# Altium PCB AMPM_GT400VN.PcbDoc (part 2 of 3)
Units mil, origin at the board's own origin, x right, y up, seen from the top; angles counter-clockwise.
Board outline 2654.8 x 2519.91 mil, 2 copper layers (Top Layer, Bottom Layer), stack 65.792 mil thick; 155 components, 114 nets, 568 pads, 487 vias.
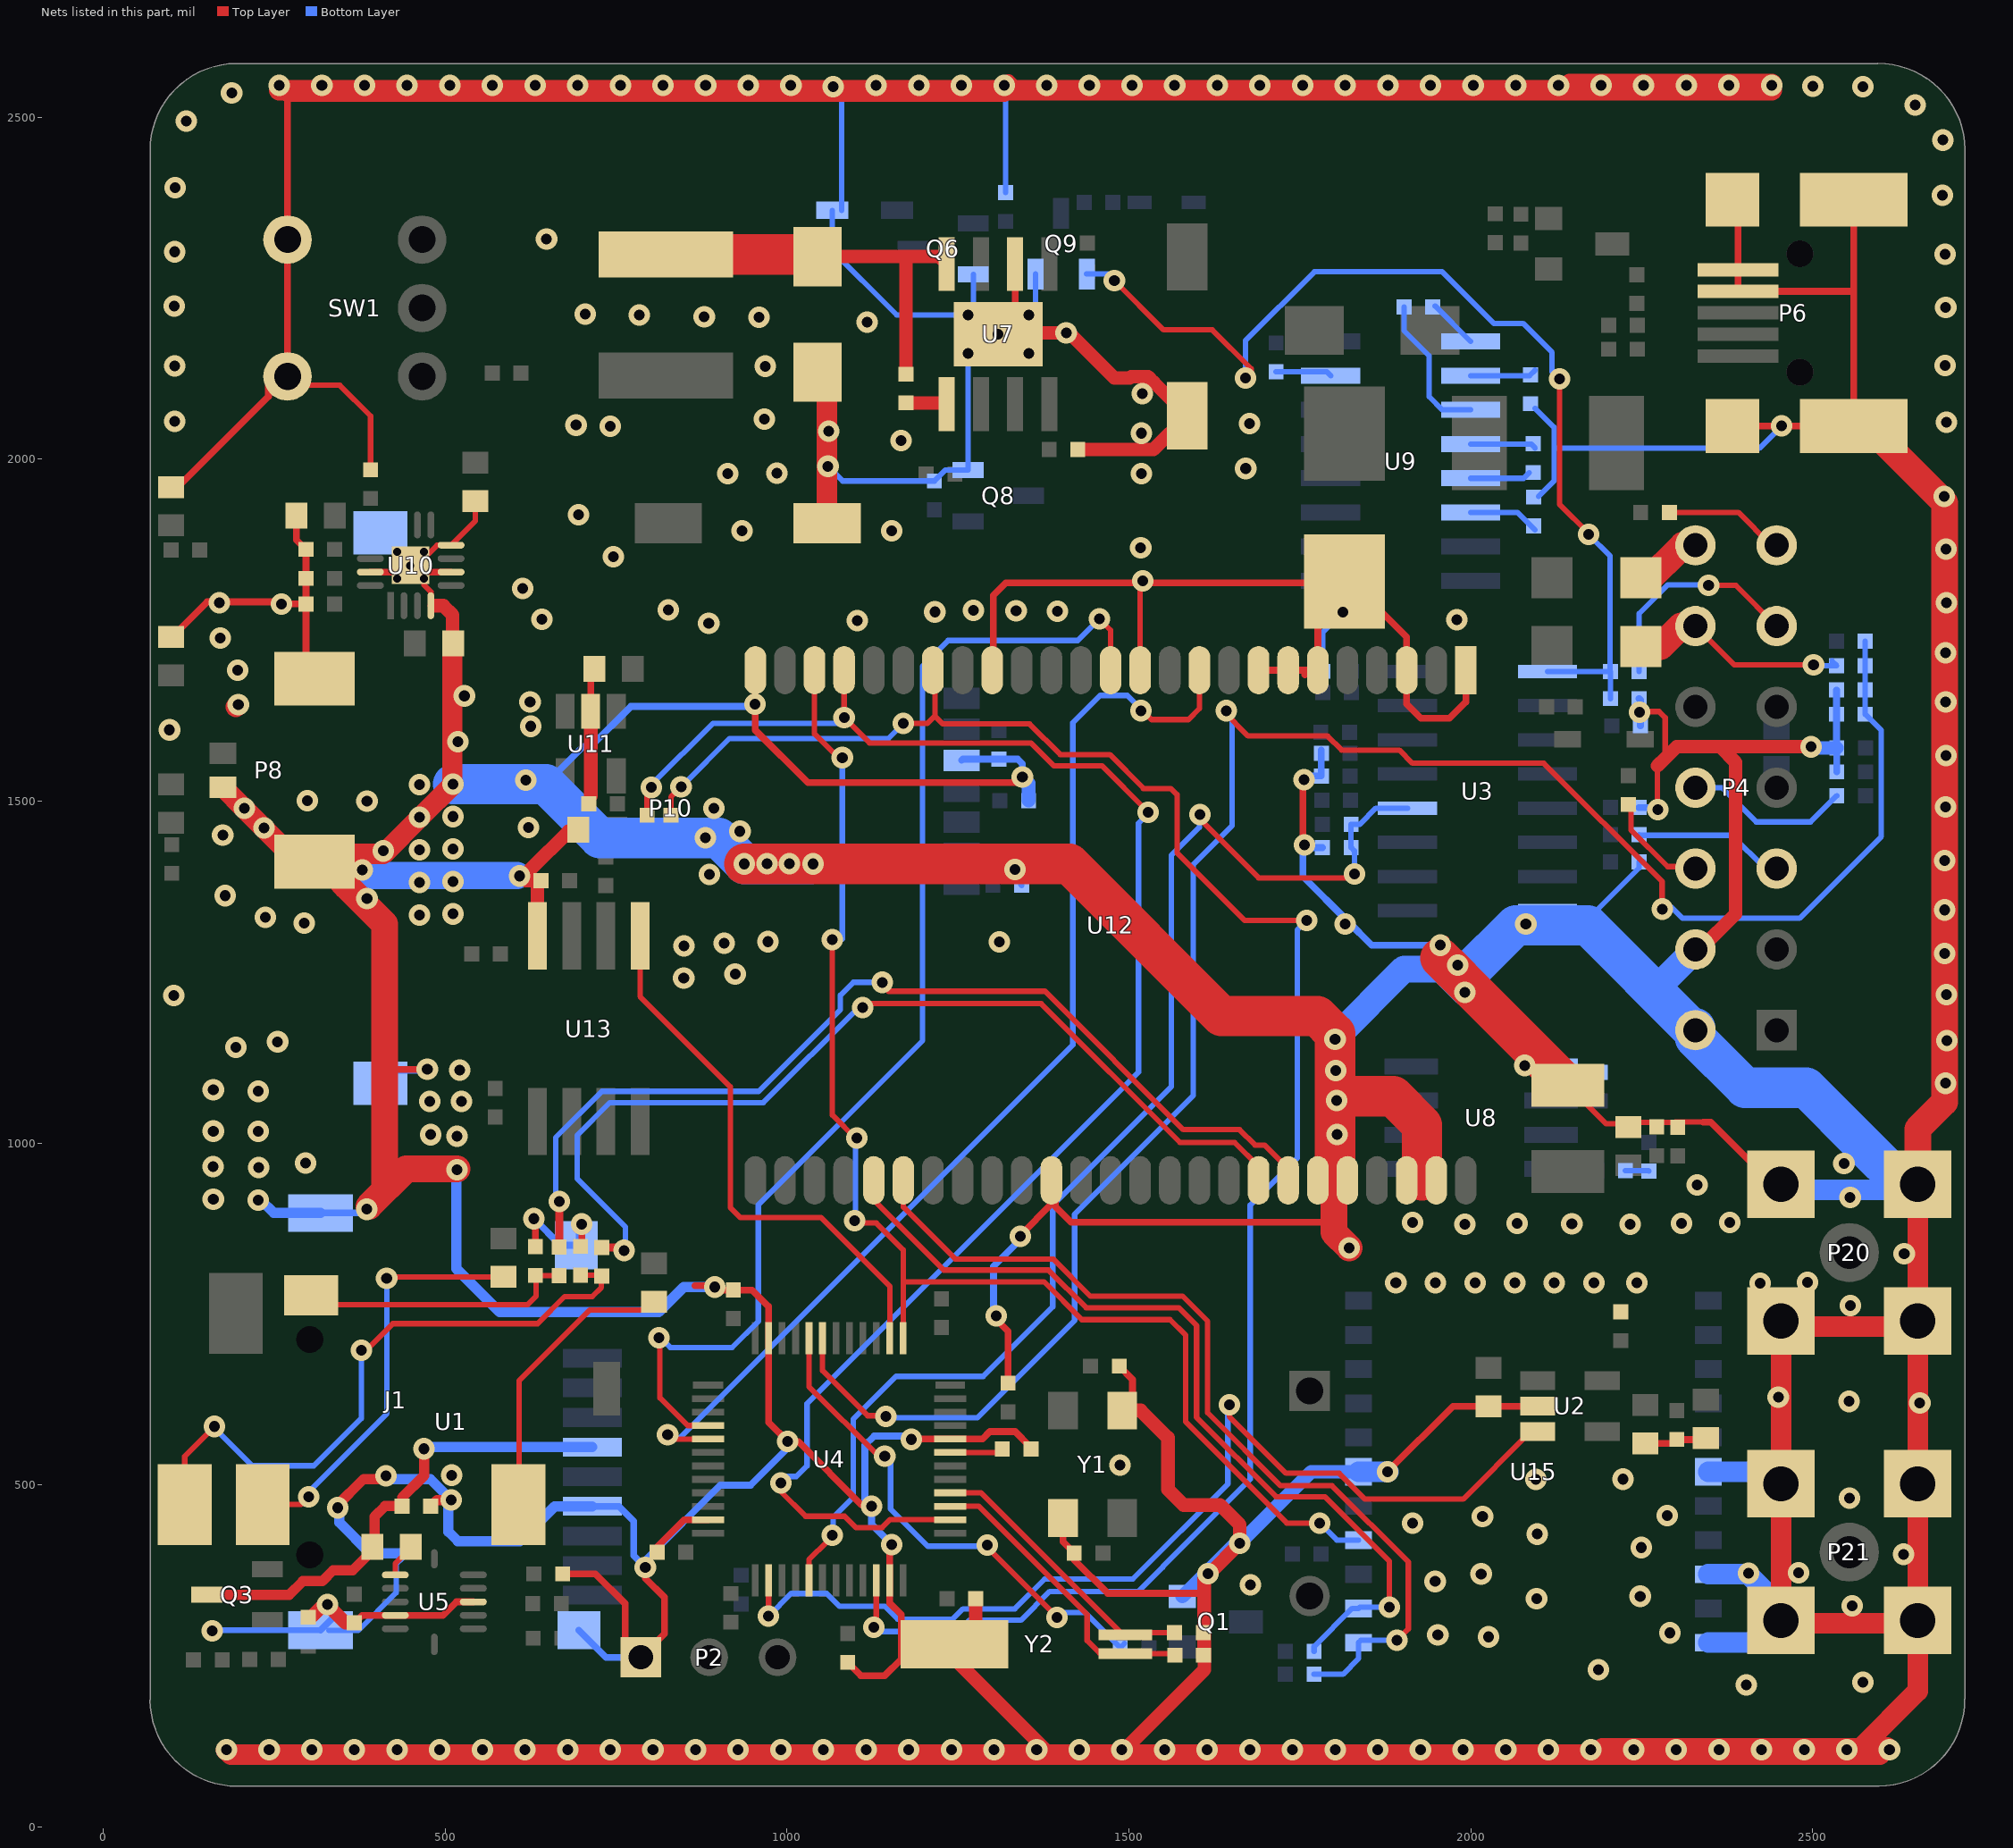
[diagram p2: the nets of this part, all layers, seen from the top]

## Via types
v1: diameter 31.5, hole 15.75, Top Layer to Bottom Layer, 478 vias
v2: diameter 11.81, hole 11.81, Top Layer to Bottom Layer, tented top, 5 vias
v3: diameter 74.8, hole 74.8, Top Layer to Bottom Layer, 2 vias
v4: diameter 35.43, hole 35.43, Top Layer to Bottom Layer, 2 vias

## Nets (pads, with @x,y where several pads share a name; then routed paths per layer and width w, separated by ;. In a path a pad name is that pad's centre, name@x,y a point inside that pad or via, vN(x,y) a via of type N, cw(c..) or ccw(c..) an arc to the next point about the centre after c; other vN are vias at no path point) (continued)
ADC_IN1: C68.2 R10.1 R67.2 R68.2 U4.19 | length 2942.4
  Top Layer w8: U4.19@1051.75,714.63 1051.75,667.06 1117.74,601.07 v1@1143.33,601.07 ; v1@1638.14,1631.48 1674.36,1595.26 1790.75,1595.26 1811.32,1574.69 1895.49,1574.69 1914.78,1555.4 2107.04,1555.4 2279.98,1382.46 v1@2279.98,1344.01
  Bottom Layer w8: v1@1148.06,598.31 1278.6,598.31 1420.66,740.37 1420.66,895.71 1594.02,1069.08 1594.02,1407.04 1650.93,1463.95 1650.93,1619.48 v1@1639.72,1630.69 ; v1@2281.55,1345.19 2293.48,1345.08 2309.9,1328.66 2481.16,1328.66 2600.62,1448.12 2600.62,1603.6 C68.2@2577.22,1627 R68.2@2577.22,1662.6 R67.2@2577.22,1698.2 R10.1@2577.22,1733.8
  other v1: 1144.52,600.28 2280.27,1342.1 1642.47,1632.26
AVL/IO1: P4.6 R86.2 | length 155.5
  Top Layer w8: R86.2@2234.2,1495.26 2234.5,1494.96 2234.5,1457.85 2288.14,1404.22 P4.6@2330.27,1404.22
AVL/IO2: P4.5 R85.2 | length 221.7
  Bottom Layer w8: R85.2@2246.33,1450.89 2247.19,1450.03 2382.09,1450.03 2430.74,1401.39 P4.5@2447.52,1401.39
AVL/IO3: P4.8 R95.1 | length 243.4
  Bottom Layer w8: P4.8@2328.81,1519.59 2367.65,1519.59 2417.67,1469.57 2497.25,1469.57 R95.1@2535.62,1507.94
AVL/IO4: F3.1 P4.12 R67.1 | length 344.7
  Top Layer w8: F3.1@2247.55,1711.15 F3.1@2255.59,1719.19 ; P4.12@2328.81,1756.01 2385.33,1699.49 v1(2501.53,1699.49)
  Top Layer w39.37: F3.1@2248.81,1725.96 2277.61,1725.96 2307.65,1756.01 P4.12@2328.81,1756.01
  Bottom Layer w8: P4.12@2328.81,1756.01 P4.12@2329.7,1756.01 ; v1(2501.53,1699.49) 2502.82,1698.2 R67.1@2535.22,1698.2 R67.1@2528.41,1705
AVL/IO5: P4.11 R82.2 | length 328.2
  Top Layer w8: v1(2347.98,1815.63) 2387.89,1815.63 P4.11@2447.52,1756.01
  Bottom Layer w8: R82.2@2246.33,1689.69 2246.33,1774.21 2288.54,1816.42 2347.2,1816.42 v1(2347.98,1815.63)
AVL/IO6: P4.13 R84.2 | length 177.2
  Top Layer w8: R84.2@2290.21,1922.18 2391.44,1922.18 2439.4,1874.22 P4.13@2447.52,1874.22
AVL/IO7: F2.1 P4.14 | length 138.4
  Top Layer w8: F2.1@2248.73,1812.45 F2.1@2248.73,1826.83 2248.73,1830.65 F2.1@2261.76,1843.68 ; F2.1@2262.51,1824.86 F2.1@2266.94,1820.44
  Top Layer w39.37: F2.1@2255.93,1819.64 2310.51,1874.22 P4.14@2328.81,1874.22
BUZZER: R18.2 U4.20 | length 755.1
  Top Layer w8: U4.20@1032.06,714.63 1032.06,643.46 1133.42,542.11 v1(1142.87,542.11) ; v1(1292.87,411.79) 1292.87,408.24 v1(1394.86,306.25)
  Bottom Layer w8: v1(1142.87,542.11) 1148.77,542.11 1151.32,539.56 1151.32,464.75 1205.86,410.22 1285.39,410.22 1293.65,401.95 v1@1296.8,401.95 ; v1(1394.86,306.25) 1398.8,310.18 1398.8,313.33 1435.81,313.33 R18.2@1487.35,261.79 R18.2@1493.65,268.09
FL_CS: U4.14 U13.1 | length 783.3
  Top Layer w8: U13.1@784.89,1277.43 784.89,1214.24 916.88,1082.24 916.88,905.49 931.39,890.99 1049.51,890.99 1150.17,790.33 U4.14@1150.17,714.63
GND: C5.1 C6.2 C7.2 C8.1 C9.2 C10.2 C11.2 C12.2 C13.2 C14.1 C15.2 C17.2 C18.1 C19.2 C20.1 C21.2 C22.2 C25.1 C31.2 C37.2 C38.2 C39.2 C40.1 C42.2 C45.2 C48.2 C49.2 C51.1 C53.2 C55.1 C56.2 C57.1 C58.1 C59.1 C61.1 C62.1 C63.1 C68.1 C70.1 C71.1 C72.2 C79.2 C80.2 C81.1 C82.1 C83.1 C84.1 C85.2 C86.1 C87.1 C88.1 C89.1 C90.1 C94.2 C99.1 D5.1 D9.2 D10.1 D14.2 DZ1.1 P2.1 P4.2 P4.4 P6.4 P6.5 P6.6 P6.7 P6.8 P6.9 P8.1 P8.3 P8.4 P10.5 P10.8 P10.9 P20.2 P20.3 P20.4 P20.5 P21.2 P21.3 P21.4 P21.5 Q1.E Q6.2 Q8.2 Q9.2 R11.1 R21.1 R43.2 R44.2 R45.2 R68.1 R87.1 R88.2 R93.2 SW1.4 SW1.5 U1.6 U1.10 U1.11 U1.12 U1.13 U2.2 U3.8 U4.8 U4.23 U4.35 U4.47 U5.1 U5.4 U5.8 U7.6 U7.9 U8.5 U9.15 U10.4 U10.6 U10.8 U10.15 U10.17 U11.2 U12.1 U12.3 U12.6 U12.7 U12.8 U12.12 U12.17 U12.25 U12.36 U12.45 U12.46 U12.48 U12.49 U13.4 U15.18 U15.20 U15.21 U15.22 Y1.2 Y1.4 Y2.3 | length 33442
  Top Layer w8: SW1.5@269.18,2121.23 282.22,2108.19 345.72,2108.19 390.58,2063.33 R43.2@390.58,1984.67 ; C14.1@366.96,298.18 C14.1@367.35,297.78 ; U5.1@426.79,368.19 426.79,384.91 C42.2@438.22,396.34 ; U10.4@478.85,1785.85 478.85,1806.1 469.01,1815.95 v2(469.01,1825.22) 459.16,1835.06 U10.17@449.32,1844.9 458.49,1844.9 473.59,1860.01 488.01,1874.43 U10.8@508.38,1874.43 543.94,1909.99 C70.1@543.94,1938.94 ; C25.1@507.32,1722.9 510.23,1725.81 C25.1@510.66,1726.24 ; U12.12@1516.51,1691.44 1516.51,1815.14 v1@1520.43,1819.05 ; U12.46@1819.66,945.38 1819.66,1012.48 1819.66,1052.2 ; U12.48@1906.28,945.38 1928.77,945.38 U12.49@1949.58,945.38 ; C63.1@2026.33,606.78 C63.1@2026.33,614.85 ; C53.2@2141.92,1059.29 2166.86,1059.29 2198.05,1028.1 C51.1@2230.92,1028.1 ; C51.1@2230.92,1023.36 2237.63,1030.07 2272.12,1030.07 C49.2@2298.89,1030.07 ; v1@2246.8,1630.99 2275.64,1630.99 2284.6,1622.03 2284.6,1562.88 ; v1@2273.18,1486.5 2273.18,1487.78 2273.18,1551.46 ; C49.2@2299.39,1030.57 2302.88,1030.57 2339.89,1030.57
  Top Layer w10: D14.2@98.92,1959.25 102.47,1962.79 112.04,1962.79 241.22,2091.98 241.22,2121.23 266.15,2121.23 267.66,2122.75 269.18,2124.26 SW1.4@269.18,2321.23 v1@269.18,2537.74 ; D9.2@104.83,1744.81 151.38,1791.36 169.64,1791.36 257.23,1791.36 v1(260.26,1788.33) R88.2@296.15,1788.33 ; P8.1@174.03,1519.36 P8.1@174.83,1520.16 ; C20.1@280.22,1915.73 C20.1@282.22,1917.73 282.22,1882.26 R44.2@296.15,1868.33 R45.2@296.15,1825.84 R88.2@296.15,1788.33 ; P8.4@296.15,1679.02 R88.2@296.15,1788.33 ; C14.1@363,299.38 366.96,299.38 368.6,299.38 378.35,309.13 U5.4@426.79,309.13 496.45,309.13 516.14,328.81 U5.8@540.96,328.81 ; v1@388.22,907.37 385.07,907.37 382.7,907.37 411.05,935.71 ; U10.15@390.27,1835.06 429.64,1835.06 439.48,1835.06 448.8,1844.38 U10.17@449.32,1844.9 448.85,1842.41 U10.17@448.71,1842.55 ; 411.05,1110.12 413.41,1107.76 v1(473.65,1107.76) ; U10.17@459.16,1835.06 469.01,1835.06 U10.6@508.38,1835.06 ; U10.4@478.85,1785.85 486.17,1785.85 ; v1@516.96,962.09 v1@527.61,962.09 ; v1@627.18,891.63 v1(629.55,889.26) 631.89,886.92 C79.2@631.89,848.33 ; U13.4@634.89,1277.43 U13.4@636.96,1279.5 ; C5.1@671.68,369.78 719.5,369.78 763.01,326.27 763.01,270.7 P2.1@786.02,247.7 ; C5.1@672.07,368.39 C5.1@673.26,367.21 ; C80.2@697.81,848.8 699.63,850.62 v1(699.63,881.38) ; U11.2@712.7,1631.42 C17.2@712.7,1689.79 ; P2.1@782.16,243.84 P2.1@786.02,247.7 ; 792.55,363.38 820.51,335.42 820.51,282.19 P2.1@786.02,247.7 ; C13.2@808.89,404.25 808.89,408.22 849.55,448.88 U4.35@884.42,448.88 ; 864.92,791.36 894.12,791.36 900.92,791.36 907.37,784.92 921.4,784.92 948.85,784.92 973.01,760.76 U4.23@973.01,714.63 973.01,591.47 1001.01,563.47 v1@1001.21,563.27 ; U12.25@953.52,1691.44 953.52,1642.01 953.52,1603.87 1030.34,1527.05 1336.25,1527.05 1344.32,1535.12 1344.52,1535.32 v1(1344.12,1535.32) ; R11.1@1091.79,236.93 1107.97,220.74 1142.54,220.74 1166.96,245.16 1166.96,266.91 1166.96,310.12 1150.17,326.91 U4.47@1150.17,360.3 1150.17,406.33 1154.75,410.91 1159.48,415.63 v1@1159.08,416.03 ; v1(1123.57,468.88) 1121.44,471.01 1108.45,471.01 1016.58,562.88 v1@1001.6,562.88 ; v1(1181.92,566.42) 1181.52,566.82 1179.95,566.82 1180.13,566.99 1181.92,566.99 U4.8@1238.76,566.99 1285.86,566.99 1296.71,577.84 1333.51,577.84 C6.2@1354.68,556.67 ; U12.17@1301.53,1706.19 1301.53,1800.67 1319.9,1819.05 ; v1@1304.68,742.89 1323.23,724.34 C12.2@1323.23,648.67 ; v1(1308.61,2183.05) 1310.58,2185.02 1333.61,2208.05 1333.61,2211.05 U7.6@1333.61,2285.41 ; v1@1341.92,865.87 1386.59,910.54 U12.36@1386.59,945.38 1392.55,939.43 1392.55,906.97 1415.38,884.14 1799.73,884.14 ; Y1.4@1403.62,451.3 1403.62,416.63 C15.2@1419.94,400.31 1419.94,390.23 1468.85,341.32 1609.93,341.32 ; C8.1@1485.85,673.51 1505.2,654.16 1505.2,608.78 Y1.2@1505.2,606.81 ; 1497.98,1819.05 1319.9,1819.05 ; U12.8@1689.74,1691.44 U12.7@1733.05,1691.44 U12.6@1776.35,1691.44 1776.35,1768.23 1798.91,1790.78 1822.26,1814.13 D10.1@1827.18,1819.05 ; v1@1752.11,1537 v1@1751.92,1536.82 ; v1(1756.25,1531.47) 1756.65,1531.87 v1@1753.07,1535.44 ; v1(1757.04,1435.8) 1757.43,1435.42 1757.43,1434.46 1754.36,1431.38 1754.36,1435.8 1754.36,1531.47 1754.36,1531.62 v1@1750.54,1535.44 ; 1757.51,1684.93 1757.51,1688.47 ; U12.45@1774.92,943.95 cw(c1776.35,943.95) U12.45@1776.35,945.38 1802.78,945.38 ; U12.46@1813.17,916.23 1804.69,940.04 1802.78,945.38 ; U12.46@1819.66,945.38 1802.78,945.38 ; v1(1878.3,519.11) 1974.03,614.85 C63.1@2026.33,614.85 2097.6,614.85 U2.2@2097.96,615.21 ; v1(1955.54,1289.26) v1@1963.81,1297.52 ; U12.1@1992.89,1691.44 1992.89,1645.11 1968.92,1621.15 1927.19,1621.15 1906.28,1642.06 U12.3@1906.28,1691.44 1906.28,1739.95 D10.1@1827.18,1819.05 ; C61.1@2255.46,560.52 2295.66,560.52 ccw(c2295.66,566.38) C62.1@2301.53,566.38 ; C62.1@2308.3,566.09 2344.05,566.09 2349.43,566.09 C40.1@2351.75,568.41 ; 2339.89,1030.57 2351.16,1030.57 2442.08,939.65 P20.5@2453.89,939.65 P20.5@2453.89,931.38 ; P6.6@2383.02,2048.77 v1(2454.96,2048.77) P6.8@2560.22,2048.77 2560.22,2244.8 ; P6.7@2383.02,2379.52 2390.89,2371.65 P6.5@2390.89,2277.15 P6.4@2390.89,2245.65 2559.37,2245.65 2560.22,2244.8 ; P21.2@2422.87,306.36 2435.98,319.47 P21.2@2453.89,337.38 ; P21.2@2453.89,297.62 P21.2@2453.89,301.56 ; P20.2@2453.89,731.38 P20.2@2453.89,739.65 P20.2@2453.89,746.83 ; P6.9@2570.03,2373.96 2570.03,2379.52 2570.03,2389.33 P6.9@2560.22,2379.52 2560.22,2244.8 ; P21.3@2653.89,297.62 P21.3@2653.89,301.56 ; P20.3@2653.89,731.38 P20.3@2653.89,739.65 ; P20.4@2653.89,931.38 2658.02,935.52 P20.4@2690.9,968.39 ; v1@2690.2,1940.04 2692.57,1940.04 v1@2694.05,1940.04 ; v1@1001.21,562.88 v1@1001.21,563.27 ; v1@1001.21,562.88 v1(1000.81,563.27) v1@1001.21,563.27 ; v1@1001.21,562.88 1001.6,562.48 1002,562.48 v1@1001.6,562.88 ; v1@1001.21,562.88 v1@1001.6,562.88 ; v1@1001.21,563.27 v1@1001.6,562.88 ; 1319.9,1819.05 1520.43,1819.05 1815.37,1819.05 D10.1@1827.18,1819.05 ; v1@1750.54,1535.44 1751.42,1536.31 v1@1751.6,1536.5 ; v1@1750.54,1535.44 1750.03,1534.92 1750.03,1536.5 v1@1751.6,1536.5 ; v1@1750.54,1535.44 v1@1753.07,1535.44 ; v1@1751.6,1536.5 v1@1751.92,1536.82 ; v1@1751.6,1536.5 v1@1752.01,1536.5 ; v1@1751.92,1536.82 1751.92,1536.59 v1@1752.01,1536.5 ; v1@1752.01,1536.5 1756.25,1536.5 1757.64,1536.5 1758.7,1535.44 1756.25,1535.44 v1@1753.07,1535.44 ; v1@1752.01,1536.5 v1@1753.07,1535.44
  Top Layer w15: v1@339.21,467.24 340.39,468.42 380.52,508.55 413.41,508.55 v1@415.78,508.55 ; C45.2@478.74,468.81 487.77,477.84 v1(508.69,477.84) ; Y1.2@1490.24,608.78 Y1.2@1505.2,608.78
  Top Layer w19.68: C99.1@304.56,307.11 319.81,322.36 327.79,322.36 329.54,322.36 353.72,298.18 C14.1@366.96,298.18 ; U7.9@1310.58,2185.02 v1(1408.22,2185.02) ; v1@1406.65,2185.41 1408.22,2185.41 1412.2,2185.41 1478.8,2118.82 1501.46,2118.82 1503.5,2120.85 1519.64,2120.85 1528.3,2120.85 1536.37,2112.78 C22.2@1585.39,2063.76 1535.78,2014.15 1518.46,2014.15 R21.1@1425.28,2014.15 ; 2273.18,1551.46 2284.6,1562.88 2301.17,1579.44 2365.02,1579.44 ; P4.4@2336.67,1284.17 2387.46,1334.96 2387.46,1557 2365.02,1579.44 ; v1@2498.48,1579.05 v1(2498.09,1579.44) 2365.02,1579.44
  Top Layer w20: 486.17,1785.85 497.15,1785.85 510.66,1772.35 510.66,1730.78 C25.1@510.66,1726.24 ; U13.4@634.8,1303.13 634.8,1378.66 C85.2@639.98,1383.84 617.67,1383.84 612.94,1388.56 624.1,1399.72 680.2,1455.82 C19.2@693.36,1455.82 ; 712.7,1507.3 U11.2@712.7,1631.42 ; C10.2@1275.92,333.36 1275.92,267.29 1260.19,251.56 1249.56,240.93 1371.51,118.98 1385.03,105.46 1387.78,102.7 1427.45,102.7 1483.45,102.7 1486.2,105.46 1491.56,110.82 1610.32,229.58 1610.32,250.77 1610.32,253.92 1609.93,254.31 1609.93,283.84 1609.93,341.32 1609.93,362.32 1616.69,369.07 v1(1662.16,414.55) 1662.16,441.71 1633.42,470.45 1579.87,470.45 1557.04,493.29 1557.04,568.88 1517.14,608.78 Y1.2@1505.2,608.78 ; v1@1323.87,2553.23 1337.39,2539.71 1340.14,2536.96 1379.82,2536.96 1435.81,2536.96 1438.56,2539.71 v1@1443.92,2545.07
  Top Layer w30: P8.1@174.83,1520.16 205.64,1489.35 234.57,1460.42 283.69,1411.3 P8.3@308.69,1411.3 ; v1@179.51,112.15 186.2,105.46 242.28,105.46 304.66,105.46 367.04,105.46 429.41,105.46 491.79,105.46 554.17,105.46 616.55,105.46 678.92,105.46 741.3,105.46 803.68,105.46 866.06,105.46 928.43,105.46 990.81,105.46 1053.19,105.46 1115.57,105.46 1177.94,105.46 1240.32,105.46 1302.7,105.46 1365.08,105.46 1385.03,105.46 1427.45,105.46 1486.2,105.46 1489.83,105.46 1552.21,105.46 1614.59,105.46 1676.96,105.46 1739.34,105.46 1801.72,105.46 1864.1,105.46 1926.47,105.46 1988.85,105.46 2051.23,105.46 2113.61,105.46 2175.98,105.46 2238.36,105.46 2300.74,105.46 2363.12,105.46 2425.49,105.46 2487.87,105.46 2550.25,105.46 2598.41,105.46 v1@2609.06,116.11 ; v1@193.65,1637.78 v1(197.2,1641.32) ; v1@257.02,2539.71 319.4,2539.71 381.78,2539.71 444.15,2539.71 506.53,2539.71 568.91,2539.71 631.29,2539.71 693.66,2539.71 756.04,2539.71 818.42,2539.71 880.8,2539.71 943.17,2539.71 1005.55,2539.71 1067.36,2539.71 1130.31,2539.71 1192.68,2539.71 1255.06,2539.71 1317.44,2539.71 1337.39,2539.71 1379.82,2539.71 1438.56,2539.71 1442.19,2539.71 1504.57,2539.71 1566.95,2539.71 1629.33,2539.71 1691.7,2539.71 1754.08,2539.71 1816.46,2539.71 1878.84,2539.71 1941.21,2539.71 2003.59,2539.71 2065.97,2539.71 2128.35,2539.71 2190.72,2539.71 2253.1,2539.71 2315.48,2539.71 2377.86,2539.71 v1@2440.23,2539.71 ; v1@269.18,2537.74 319.4,2537.74 381.78,2537.74 444.15,2537.74 506.53,2537.74 568.91,2537.74 631.29,2537.74 693.66,2537.74 756.04,2537.74 818.42,2537.74 880.8,2537.74 943.17,2537.74 1005.55,2537.74 1067.36,2537.74 1130.31,2537.74 1192.68,2537.74 1255.06,2537.74 v1@1316.87,2537.74 ; P8.3@316.56,1422.72 378.69,1422.72 409.01,1422.72 409.48,1422.72 411.45,1424.7 462.78,1476.03 511.31,1524.56 v1@511.65,1524.9 ; v1@510.23,1524.9 510.23,1586.99 510.23,1653.92 510.23,1725.81 C25.1@510.23,1730.78 ; C21.2@1034.61,1906.51 C21.2@1058.48,1906.51 1058.48,1989.74 1058.48,2040.93 1058.48,2113.26 D5.1@1044.44,2127.3 ; 2145.26,2548.77 2190.72,2548.77 2253.1,2548.77 2315.48,2548.77 2377.86,2548.77 v1@2440.23,2548.77 ; 2192.9,114.51 2238.36,114.51 2300.74,114.51 2363.12,114.51 2425.49,114.51 2487.87,114.51 2550.25,114.51 2570,114.51 2653.89,198.41 2653.89,297.62 2558.22,297.62 P21.2@2453.89,297.62 ; P21.2@2453.89,301.56 2453.89,337.38 2453.89,371.24 P21.5@2453.89,501.56 2453.89,627.93 P20.2@2453.89,714.94 ; P20.2@2453.89,731.38 2653.89,731.38 2653.89,619.67 P21.4@2653.89,501.56 2653.89,398.41 P21.3@2653.89,301.56 ; P20.3@2653.89,739.65 2653.89,837.78 P20.4@2653.89,931.38
  Top Layer w39.37: P8.3@350.42,1380.99 355.26,1376.15 379.67,1351.74 411.05,1320.36 411.05,1110.12 411.05,935.71 ; v1@388.22,907.37 442.94,962.09 v1@516.96,962.09 ; 1802.78,945.38 1799.73,942.33 1799.73,884.14 1799.73,869.1 v1(1822.34,846.49) ; P6.8@2560.22,2048.77 2581.48,2048.77 2688.62,1941.63 v1@2690.2,1940.04 ; P20.4@2653.89,939.65 2653.89,1020.41 2693.24,1059.76 2693.24,1087.32 2693.24,1149.52 2693.24,1216.85 v1(2693.24,1277.08) v1(2693.24,1340.86) v1(2693.24,1412.91) 2693.24,1491.26 2693.24,1566.45 2693.24,1645.19 2693.24,1716.85 2693.24,1790.07 2693.24,1868.42 v1@2693.24,1936.59
  Top Layer w59.06: v1(937.43,1408.15) 970.5,1408.15 1003.18,1408.15 v1(1038.22,1408.15) 1333.42,1408.15 1413.02,1408.15 1635.46,1185.71 1775.62,1185.71 1801.6,1159.73 v1(1801.6,1151.56) 1801.6,1105.89 v1@1801.6,1068.39 ; 1802.78,945.38 1801.6,946.56 1801.6,1012.48 1801.6,1062.19 v1@1801.6,1068.39 ; 1928.77,945.38 1928.77,1026.26 1886.64,1068.39 1803.89,1068.39 1802.71,1068.39 v1@1801.6,1068.39 ; 1955.54,1270.61 1973.58,1252.57 1998.58,1227.57 2095.93,1130.21 C53.2@2141.92,1084.22
  Bottom Layer w8: v1@159.08,287.37 U1.11@317.46,287.37 ; U1.11@329.37,286.93 372.67,286.93 427.98,342.23 427.98,383.74 438.22,393.98 ; v1(1059.8,1989.74) 1081.31,1968.23 R93.2@1215.49,1968.23 1231.35,1984.1 Q8.2@1264.74,1984.1 1264.74,2154.93 v1(1264.61,2155.05) ; DZ1.1@1066.27,2364.01 1066.27,2313.77 1061.87,2309.37 1160.18,2211.05 v1(1264.61,2211.05) 1272.38,2218.82 Q6.2@1272.38,2270.46 ; v1(1067.36,2544.83) 1079.66,2532.54 DZ1.1@1079.66,2364.01 ; C94.2@1319.82,2389.89 v1@1319.82,2541.88 ; v1(1333.42,1399.98) 1334.98,1398.41 1336.18,1398.41 1338.14,1400.37 1340.64,1400.37 v1@1342.21,1401.95 ; C58.1@1342.21,1422.82 v1@1342.21,1401.95 ; C59.1@1343,1376.75 1342.21,1377.54 1342.21,1399.98 v1@1342.21,1401.95 ; v1(1353.61,2211.05) 1363.51,2220.95 Q9.2@1363.51,2270.9 ; C38.2@1715.31,2128.19 1789.26,2128.19 U9.15@1795.23,2122.22 ; C81.1@1783.55,1689.8 1783.55,1746.57 v1(1813.34,1776.36) ; C31.2@2094.37,2074.32 2122,2046.7 2122,2016.06 ; C37.2@2099.17,1945.56 2122,1968.39 2122,2016.06 ; U8.5@2117.67,1111.99 2126.39,1103.26 C72.2@2189.32,1103.26 ; 2171.61,1318.39 2171.61,1327.45 2246.33,1402.17 C89.1@2246.33,1411.09 C89.1@2253.01,1411.09 ; C39.2@2226.46,959.43 2260.06,959.43 C71.1@2260.58,958.9 ; P20.5@2434.64,958.9 P20.5@2453.89,939.65 ; v1(2454.96,2048.77) 2422.25,2016.06 2122,2016.06
  Bottom Layer w10: U1.11@317.46,287.37 U1.11@335.09,305 ; U1.12@317.46,897.59 372.93,897.59 381.72,906.38 382.7,907.37 385.07,907.37 v1@388.22,907.37 ; P10.8@404.92,1087.36 423.75,1106.19 473.65,1106.19 474.04,1106.19 474.04,1107.37 v1(473.65,1107.76) ; v1(629.55,889.26) 668.46,850.36 U1.13@691.48,850.36 696.18,855.06 U1.13@696.18,881.38 ; 647.06,1524.9 701.98,1579.81 712.7,1579.81 771.36,1638.47 949.64,1638.47 v1(953.18,1642.01) ; U1.10@695.41,287.37 735.09,247.7 P2.1@786.02,247.7 ; U1.6@715.1,468.47 753.88,468.47 775.61,446.74 775.61,396.35 v1(792.55,379.41) 792.55,389.65 902.39,499.49 946.59,499.49 1000.81,553.72 v1(1000.81,563.27) ; v1(1153.18,412.48) 1123.57,442.09 v1(1123.57,468.88) 1113.73,478.72 1113.73,557.85 1127.12,571.24 1177.1,571.24 v1(1181.92,566.42) ; P10.5@1255.32,1559.6 1257.07,1561.36 C56.2@1309.92,1561.36 1337.37,1561.36 1344.12,1554.61 v1(1344.12,1535.32) ; v1@1301.92,745.26 1301.92,747.22 1301.92,819.27 1336.47,853.82 v1@1336.47,855 ; v1@1752.11,1537 v1@1751.92,1536.82 ; v1(1756.25,1531.47) 1756.65,1531.87 v1@1752.01,1536.5 ; C82.1@1781.25,1574.39 1781.47,1574.17 1781.47,1570.06 C83.1@1781.47,1536.71 1759.97,1536.71 1758.7,1535.44 1757.64,1536.5 1756.25,1536.5 v1@1752.01,1536.5 ; C84.1@1783.04,1432.05 1757.04,1432.05 1755.02,1432.05 1754.36,1431.38 1754.36,1390.04 1820.22,1324.18 1855.15,1289.26 v1(1955.54,1289.26) 1982.9,1261.89 1996.09,1248.7 v1@1996.09,1220.36 ; v1@1879.64,519.11 v1@1884.99,513.76 ; C88.1@2246.33,1490.69 v1@2273.53,1490.69 ; C86.1@2246.33,1649.89 2248.3,1647.92 2248.3,1630.3 C87.1@2248.3,1610.05 ; P21.5@2420.98,519.11 2446.21,493.88 P21.5@2453.89,486.2 ; P21.2@2436.8,269.11 2453.89,286.2 P21.2@2453.89,301.56 P21.2@2453.89,321.24 ; C90.1@2534.44,1578.97 C90.1@2535.22,1578.18 ; R68.1@2535.22,1662.6 C68.1@2535.22,1627 C90.1@2535.22,1578.18 ; R87.1@2535.62,1542.86 C90.1@2535.62,1577.79 C90.1@2535.22,1578.18 ; v1@1751.6,1536.5 1751.42,1536.31 1750.03,1534.92 1750.03,1536.5 v1@1751.6,1536.5 ; v1@1751.6,1536.5 v1@1751.92,1536.82 ; v1@1751.6,1536.5 v1@1752.01,1536.5 ; v1@1751.92,1536.82 1751.92,1536.59 v1@1752.01,1536.5
  Bottom Layer w15: v1@230.15,916.45 249.02,897.59 U1.12@317.46,897.59 ; v1@345.11,463.7 345.11,444.8 390.03,399.89 445.3,399.89 ; v1@415.78,508.55 477.98,508.55 v1(508.69,477.84) 504.56,473.71 504.56,431.41 518.37,417.6 609.08,417.6 659.95,468.47 U1.6@715.1,468.47 ; v1@516.17,959.33 516.17,816.03 579.55,752.64 812.23,752.64 848.85,789.26 v1(894.12,789.26)
  Bottom Layer w19.68: v1(2498.09,1579.44) 2499.75,1577.79 C90.1@2535.62,1577.79
  Bottom Layer w20: v1(378.69,1399.59) v1@387.06,1391.22 ; v1(1344.12,1535.32) 1353.24,1526.2 C57.1@1353.24,1500.77 ; Q1.E@1578.26,336.6 1613.71,372.05 1656.2,414.55 v1(1662.16,414.55) 1766.72,519.11 U15.21@1835.87,519.11
  Bottom Layer w30: U15.21@1835.87,519.11 v1(1878.3,519.11) v1@1879.64,519.11 ; U15.20@2347.69,269.11 P21.2@2436.8,269.11 ; U15.18@2347.69,369.11 2406.02,369.11 P21.2@2453.89,321.24 ; U15.22@2347.69,519.11 P21.5@2420.98,519.11 ; P20.5@2453.89,931.38 2555.07,931.38 P20.4@2653.89,931.38
  Bottom Layer w39.37: v1@1801.6,1153.52 1902.39,1254.31 1955.54,1254.31 1957.41,1254.31 1966.37,1245.36 v1(1991.37,1220.36) 1994.44,1220.36 v1@1994.44,1231.87 ; 2278.2,1232.56 P4.4@2328.81,1283.18
  Bottom Layer w40: v1@387.06,1391.22 462.16,1391.22 510.98,1391.22 v1@605.07,1391.22
  Bottom Layer w59.06: v1@511.65,1524.9 617.67,1524.9 647.06,1524.9 726.01,1445.95 880.69,1445.95 892.87,1445.95 899.63,1445.95 910.38,1435.21 937.31,1408.27 937.43,1408.27 v1(970.5,1408.27) v1(1003.18,1408.27) v1@1034.65,1408.27 ; 1996.09,1248.7 2065.78,1318.39 2080.66,1318.39 2112.29,1318.39 2171.61,1318.39 2322.39,1167.6 P4.2@2323.97,1167.6 ; P4.2@2328.3,1167.6 2328.3,1164.97 2328.3,1153.82 2401.31,1080.82 2490.68,1080.82 2573.72,997.77 2631.84,939.65 2645.23,939.65 P20.4@2645.23,935.32
  other v1: 179.9,112.55 242.28,112.55 304.66,112.55 367.04,112.55 429.41,112.55 491.79,112.55 554.17,112.55 616.55,112.55 678.92,112.55 741.3,112.55 803.68,112.55 866.06,112.55 928.43,112.55 990.81,112.55 1053.19,112.55 1115.57,112.55 1177.94,112.55 1240.32,112.55 1302.7,112.55 1365.08,112.55 1427.45,112.55 1489.83,112.55 1552.21,112.55 1614.59,112.55 1676.96,112.55 1739.34,112.55 1801.72,112.55 1864.1,112.55 1926.47,112.55 1988.85,112.55 2051.23,112.55 2113.61,112.55 2175.98,112.55 2238.36,112.55 2300.74,112.55 2363.12,112.55 2425.49,112.55 2487.87,112.55 2550.25,112.55 2612.63,112.55 2403.1,207.07 2573.57,211.4 2186.96,229.51 2026.33,277.54 1951.92,280.3 2291.29,283.44 159.08,286.5 2558.22,322.81 327.79,324.82 2096.41,333.44 2247.98,336.99 1677.51,353.92 1947.98,358.64 1615.7,370.06 2015.31,369.67 2406.25,370.85 2479.48,371.24 2633.42,398.41 2249.56,408.25 2097.2,427.93 1914.91,443.68 2017.28,453.92 2287.35,455.1 342.36,466.45 2554.28,480.3 2095.23,507.85 2222.79,508.25 413.41,513.27 509.5,514.09 1486.96,528.72 2657.04,619.67 2553.5,622.03 2449.95,627.93 1305.86,747.22 2555.46,762.19 2242.87,795.26 2423.18,794.86 1890.5,795.65 1948.46,795.65 2006.41,795.65 2064.36,795.65 2122.32,795.65 2180.27,795.65 2492.87,796.04 2634.2,837.78 1341.37,863.67 1991.69,881.08 2233.02,881.08 2067.67,882.26 2147.98,881.87 2308.61,882.66 1914.91,883.44 2379.09,883.84 385.07,903.04 226.33,916.12 160.58,917.7 2555.07,920.06 2331.06,938.56 516.96,960.91 226.72,964.15 160.19,965.33 2546.02,970.06 295.62,970.85 517.28,1009.82 478.69,1012.19 1804.36,1012.48 160.58,1017.3 226.33,1016.91 477.12,1061 523.57,1061 1803.89,1062.19 226.33,1075.57 160.58,1077.93 2694.54,1087.32 1802.71,1105.89 521.21,1106.67 2079.09,1113.37 193.36,1140.07 254.68,1148.01 2696.51,1149.52 102.81,1215.67 2695.72,1216.85 848.77,1241.32 923.97,1246.83 1981.13,1260.12 849.17,1288.17 907.83,1292.11 1310.58,1294.07 972,1294.47 1816.49,1320.45 2080.66,1320.45 293.65,1321.63 236.96,1329.9 462.16,1333.44 510.98,1335.02 385.39,1357.46 177.91,1361.79 462.16,1381.18 510.98,1382.49 608.61,1390.53 886.17,1392.89 409.01,1427.15 462.16,1428.92 510.98,1429.96 880.69,1446.44 174.36,1450.37 931.06,1455.89 234.67,1460.52 621.61,1461.4 462.16,1476.65 510.98,1477.43 2273.58,1487.78 892.87,1489.35 205.93,1489.65 2694.54,1491.26 297.98,1500.37 385.39,1499.98 462.16,1524.39 510.98,1524.9 617.67,1530.69 2695.33,1566.45 518.46,1586.99 96.51,1604.25 624.76,1609.43 2246.8,1630.3 623.97,1644.86 2694.94,1645.19 527.91,1653.92 196.02,1691.32 2694.54,1716.85 170.82,1738.56 885.39,1759.82 1102.71,1763.76 1979.48,1765.33 641.29,1765.73 1216.09,1776.75 1334.99,1778.33 1395.23,1777.54 1272.39,1779.11 826.33,1779.9 169.64,1790.14 2695.72,1790.07 613.34,1811 1520.43,1822.03 746.02,1857.46 2695.33,1868.42 1517.28,1870.45 933.91,1895.19 1153.2,1895.59 694.83,1918.88 2692.57,1945.59 913.05,1979.05 1518.06,1979.11 985.09,1979.84 1670.92,1986.53 1166.59,2027.48 1518.46,2038.17 1060.58,2040.93 741.29,2048.41 691.29,2049.98 1676.43,2052.28 2696.02,2053.92 103.99,2055.43 966.49,2058.64 1519.64,2096.04 968.17,2136.14 103.99,2136.53 2693.76,2137.32 1353.61,2155.05 1116.98,2200.31 958.72,2207.79 878.8,2208.58 783.91,2210.94 704.68,2212.52 2694.94,2222.36 103.6,2224.33 2694.15,2299.92 103.99,2303.46 648.09,2322.36 2690.21,2386.14 104.78,2397.16 2690.5,2466.91 120.92,2494.8 2650.45,2518.03 187.46,2535.74 2573.68,2544.8 2500.45,2545.59 257.02,2546.8 319.4,2546.8 381.78,2546.8 444.15,2546.8 506.53,2546.8 568.91,2546.8 631.29,2546.8 693.66,2546.8 756.04,2546.8 818.42,2546.8 880.8,2546.8 943.17,2546.8 1005.55,2546.8 1130.31,2546.8 1192.68,2546.8 1255.06,2546.8 1317.44,2546.8 1379.82,2546.8 1442.19,2546.8 1504.57,2546.8 1566.95,2546.8 1629.33,2546.8 1691.7,2546.8 1754.08,2546.8 1816.46,2546.8 1878.84,2546.8 1941.21,2546.8 2003.59,2546.8 2065.97,2546.8 2128.35,2546.8 2190.72,2546.8 2253.1,2546.8 2315.48,2546.8 2377.86,2546.8 2440.23,2546.8
  other v2: 429.64,1825.22 448.71,1844.48 429.64,1864.59 469.01,1864.59
GPS_EN: U2.3 U4.38 | length 1490.5
  Top Layer w8: v1@969.24,312.58 973.01,316.34 U4.38@973.01,360.3 ; v1(1646.8,616.91) 1646.8,599.98 1729.87,516.91 1807.43,516.91 1845.23,479.11 1988.93,479.11 U2.3@2084.2,574.39
  Bottom Layer w8: v1(972.79,307.85) 1005.86,340.93 1057.83,340.93 1076.33,322.42 1142.87,322.42 1161.83,303.46 1242.41,303.46 1257.43,318.48 1333.07,318.48 1376.77,362.19 1505.86,362.19 1644.83,501.16 v1@1644.83,615.33
GPS_SCL: R77.1 U12.30 U15.2 | length 1288.6
  Top Layer w8: U12.30@1126.75,945.38 1126.75,916.49 1229.09,814.15 1382.22,814.15 1437.43,758.94 1572.86,758.94 1599.02,732.78 1599.02,598.73 1715.1,482.66 1786.57,482.66 1881.06,388.17 v1(1881.06,321.24)
  Bottom Layer w8: R77.1@1770.92,256.43 1770.92,263.47 1826.57,319.11 U15.2@1835.87,319.11 1838,321.24 v1(1881.06,321.24)
GPS_SDA: R78.1 U12.31 U15.1 | length 1348.4
  Top Layer w8: U12.31@1170.06,945.38 1170.06,906.26 1246.02,830.3 1389.3,830.3 1443.73,775.87 1578.56,775.87 1615.02,739.41 1615.02,605.36 1721.73,498.66 1797.34,498.66 1908.8,387.19 1908.8,289.15 v1(1892.08,272.42)
  Bottom Layer w8: R78.1@1770.92,222.96 1813.09,222.96 1835.87,245.74 U15.1@1835.87,269.11 1839.18,272.42 v1(1892.08,272.42)
GPS_TXD: U4.13 U12.23 U15.4 | length 1960.2
  Top Layer w8: U12.23@1040.13,1691.44 1040.13,1598.36 1074.83,1563.66 v1(1080.74,1563.66) ; v1@1063.61,1294.57 1066.17,1292.01 1066.17,1040.83 v1@1102,1005 ; v1(1098.85,886.11) 1102,882.96 1130.36,882.96 1169.86,843.46 1169.86,796.83 ; U4.13@1169.86,714.63 1169.86,796.83 ; v1(1779.09,444.07) 1731.06,444.07 1583.02,592.11 1583.02,718.73 1560.14,741.62 1431.04,741.62 1375.82,796.83 1169.86,796.83
  Bottom Layer w8: v1@1077.19,1566.03 1077.19,1565.24 1076.41,1564.46 v1(1080.74,1563.66) v1@1080.74,1298.31 ; v1(1098.85,886.11) 1100.03,886.11 1100.03,1003.04 v1@1102,1005 ; v1(1779.09,444.07) 1804.05,419.11 U15.4@1835.87,419.11
  other v1: 1102,1007.37 1066.17,1297.13
GSM_POWER: R31.2 U4.46 U12.19 | length 2808.6
  Top Layer w8: R31.2@830.12,1479.43 830.12,1505.96 v1(844.91,1520.75) ; v1(1126.72,291.71) 1126.33,291.71 1125.54,292.5 1130.49,297.44 U4.46@1130.49,360.3 ; v1(1170.11,1613.53) 1205.15,1613.53 1216.17,1624.56 ; U12.19@1213.36,1691.44 1216.17,1688.64 1216.17,1624.56 ; 1520.82,1518.48 1521.59,1518.48 ; v1(1759.99,1325.37) 1669.44,1325.37 1570.43,1424.39 1570.43,1509.43 1561.37,1518.48 1521.59,1518.48 ; 1216.17,1624.56 1227.85,1612.88 1354.62,1612.88 1399.5,1568 1472.07,1568 1521.59,1518.48
  Bottom Layer w8: v1@850.81,1526.66 915.64,1591.48 1148.06,1591.48 v1(1170.11,1613.53) ; v1(1126.72,291.71) 1133.09,285.35 1249.89,285.35 1266.49,301.95 1342.08,301.95 1384.2,344.07 1514.13,344.07 1549.56,379.51 1549.56,380.3 1677.51,508.25 1677.51,909.04 1746.41,977.93 1746.41,1311.79 v1(1759.99,1325.37)
GSM_RI: U4.29 U12.10 | length 1667.9
  Top Layer w8: v1@824.83,572.72 824.83,575.08 825.23,575.48 v1@827.98,575.48 ; v1@827.19,576.26 v1@827.98,575.48 ; v1@827.41,566.99 U4.29@884.42,566.99 ; v1(1517.67,1632.26) v1@1517.67,1634.6 ; U12.10@1600.03,1694.54 U12.10@1603.13,1691.44 1603.13,1635.27 1587.04,1619.18 1533.1,1619.18 v1@1517.67,1634.6 ; v1@827.98,575.48 829.96,575.48 830.97,574.47 830.97,573.74 830.34,573.11 v1@827.98,575.48 ; v1@1517.67,1634.61 1517.67,1636.09 v1@1517.67,1634.6
  Bottom Layer w8: v1@826.41,567.21 841.82,567.21 1418.02,1143.41 1418.02,1614.6 1458.03,1654.61 1497.67,1654.61 1517.67,1634.61 1517.67,1636.09 v1(1517.67,1632.26)
  other v1: 825.23,573.51
GSM_RST: R33.2 U4.2 U12.22 | length 2434.5
  Top Layer w8: R33.2@795.12,1479.43 795.12,1513.88 v1(801.21,1519.96) ; v1(990.9,502.74) 990.9,490.13 1027.02,454.01 1084.09,454.01 1100.63,437.48 1138.93,437.48 1150.33,448.88 U4.2@1238.76,448.88 ; U12.22@1083.44,1691.44 v1(1083.44,1622.24) 1120.5,1585.19 1356.85,1585.19 1390.18,1551.85 1460.52,1551.85 1526.12,1486.26 v1@1537.98,1486.26
  Bottom Layer w8: v1@802,1524.3 891.63,1613.93 v1@1075.12,1613.93 ; v1(990.9,502.74) 990.5,503.13 990.5,505.1 997.59,512.19 1013.51,512.19 1029.09,527.76 1029.09,618.71 1514.02,1103.65 1514.02,1467.59 v1@1530.27,1483.84
  other v1: 1528.3,1483.44
GSM_RTS: U4.28 U12.13 | length 1766.7
  Top Layer w8: v1@814.01,712.91 814.01,627.24 854.57,586.68 U4.28@884.42,586.68 ; v1(1456.72,1766.42) 1473.2,1749.94 U12.13@1473.2,1691.44
  Bottom Layer w8: v1@813.62,716.45 829.21,700.86 919.68,700.86 957.93,739.11 957.93,909.36 1198.25,1149.68 1198.25,1267.28 1197.85,1267.68 1197.85,1697.32 1235.46,1734.93 1425.22,1734.93 v1(1456.72,1766.42)
  other v1: 812.63,715.24
IO_HI_ACT: C84.2 R5.1 U3.12 U4.41 | length 1845.2
  Top Layer w8: U4.41@1032.06,360.3 1032.06,390.58 v1@1059.08,417.6 ; v1@1605.27,1472.22 1689.72,1387.78 1824.14,1387.78 v1(1829.95,1393.59)
  Bottom Layer w8: v1@1067.35,426.26 1067.35,452.25 1096.73,481.63 1096.73,595.85 1159.43,658.55 1286.87,658.55 1388.66,760.34 1388.66,908.97 1562.02,1082.33 1562.02,1420.54 1603.1,1461.62 v1@1603.1,1477.54 ; v1(1829.95,1393.59) 1829.95,1427.14 C84.2@1825.04,1432.05 R5.1@1825.04,1466.13 1837.93,1466.13 1861.38,1489.59 U3.12@1907.57,1489.59
  other v1: 1066.17,426.26 1603.89,1480.3
MIC_BIAS: L7.1 U12.44 | length 1461.1
  Top Layer w8: v1@1140.58,1229.81 1148.45,1221.93 1377.19,1221.93 1579.55,1019.57 1661.86,1019.57 1684.6,996.83 1698.38,996.83 1733.05,962.16 U12.44@1733.05,945.38
  Top Layer w11.81: L7.1@666.53,847.94 v1(666.53,914.45)
  Bottom Layer w8: v1@661.44,917.6 661.44,1007.89 729.13,1075.57 958.39,1075.57 1077.98,1195.16 1077.98,1216.03 1096.88,1234.93 v1(1139.4,1234.93)
MIC_GND: L8.1 U12.43 | length 1420
  Top Layer w8: v1@1111.84,1197.92 1117.74,1203.82 1371.68,1203.82 1574.83,1000.67 1654.77,1000.67 1689.74,965.7 U12.43@1689.74,945.38
  Top Layer w11.81: L8.1@728.75,847.3 756.94,847.3 v1(761.44,842.8)
  Bottom Layer w8: v1@763.54,844.89 763.54,876.93 692.94,947.52 692.94,1011.37 740.61,1059.04 965.08,1059.04 v1@1103.37,1197.33
  Bottom Layer w11.81: v1(761.44,842.8) v1@763.54,844.89
  other v1: 1110.26,1197.92
NetC6_1: C6.1 U4.7 | length 67.9
  Top Layer w8: U4.7@1238.76,547.3 C6.1@1306.65,547.3
NetC7_1: C7.1 U4.4 Y2.1 | length 411.5
  Top Layer w8: U4.4@1238.76,488.25 1283.83,488.25 Y2.1@1491.18,280.91 ; Y2.1@1494.83,280.69 1497.98,283.84 C7.1@1566.75,283.84
NetC9_1: C9.1 U4.3 Y2.2 | length 402.9
  Top Layer w8: U4.3@1238.76,468.57 1280.58,468.57 1438.96,310.19 1438.96,272.07 Y2.2@1457.09,253.94 ; Y2.2@1494.83,253.13 1564.78,253.13 C9.1@1567.14,250.77
NetC29_1: C29.1 U9.3 | length 215.3
  Bottom Layer w8: C29.1@1902.57,2222.81 1902.57,2187.95 1939.19,2151.33 1939.19,2091.45 1958.42,2072.22 U9.3@1999.95,2072.22
NetC29_2: C29.2 U9.1 | length 73.5
  Bottom Layer w8: C29.2@1947.97,2224.21 U9.1@1999.95,2172.22
NetC31_1: C31.1 U9.2 | length 97.7
  Bottom Layer w8: U9.2@1999.95,2122.22 2086.23,2122.22 C31.1@2094.3,2130.3
NetC32_1: C32.1 U9.5 | length 88.7
  Bottom Layer w8: U9.5@1999.95,1972.22 2077.41,1972.22 C32.1@2085.39,1980.2
NetC32_2: C32.2 U9.4 | length 96.8
  Bottom Layer w8: U9.4@1999.95,2022.22 2088.47,2022.22 C32.2@2094.3,2016.39
NetC34_1: C34.1 U7.1 | length 60.4
  Top Layer w19.68: C34.1@1173.97,2082.52 1231.78,2082.52 U7.1@1233.61,2080.69
NetC34_2: C34.2 D5.2 L1.1 U7.8 | length 590.2
  Top Layer w19.68: D5.2@1044.44,2296.44 1177.91,2296.44 ; C34.2@1173.97,2124.52 1173.97,2292.5 1177.91,2296.44 ; U7.8@1233.61,2285.41 1222.59,2296.44 1177.91,2296.44
  Top Layer w59.06: L1.1@822.79,2299.59 1041.29,2299.59 D5.2@1044.44,2296.44
NetC37_1: C37.1 U9.6 | length 105
  Bottom Layer w8: U9.6@1999.95,1922.22 2068.52,1922.22 C37.1@2094.3,1896.44
NetC42_1: C42.1 C45.1 Q3.3 U1.4 | length 708.5
  Top Layer w15: Q3.3@151.07,338.89 271.49,338.89 291.57,358.97 319.92,358.97 336.06,375.11 364.8,375.11 C42.1@396.26,406.57 ; C42.1@393.44,409.39 396.65,412.6 396.65,453.65 411.81,468.81 C45.1@436.74,468.81 436.74,481.3 468.92,513.49 v1(468.92,552.67)
  Bottom Layer w15: v1@468.92,555.09 U1.4@715.1,555.09
NetC77_1: C77.1 J1.6 | length 608.2
  Top Layer w8: J1.6@232.91,471.18 289.21,471.18 v1(300.23,482.2) ; v1@415.38,804.18 C77.1@583.1,804.18
  Top Layer w19.68: C77.1@583.1,804.18 C77.1@583.1,805.4
  Bottom Layer w8: v1(300.23,482.2) 300.23,490.07 414.59,604.44 v1@414.59,802.25
  other v1: 414.2,802.25
NetC78_1: C78.1 J1.2 | length 363.6
  Top Layer w8: J1.2@607.9,523.33 607.9,652.25 711.05,755.4 C78.1@790.18,755.4
  Top Layer w11.81: J1.2@606.92,522.36 J1.2@607.9,523.33 ; C78.1@794.12,759.33 C78.1@794.12,767.6
NetC79_1: C79.1 J1.3 L7.2 | length 390.2
  Top Layer w8: J1.3@303.78,763.27 620.11,763.27 632.68,775.85 C79.1@632.68,797.13 ; C79.1@632.29,805.94 L7.2@666.53,805.94
  Top Layer w19.68: C79.1@631.89,806.33 C79.1@632.29,805.94
NetC80_1: C80.1 J1.1 L8.2 | length 944.4
  Top Layer w8: J1.1@118.74,471.18 118.74,541.65 v1(162.44,585.35) ; v1(377,696.77) 379.05,694.72 379.05,691.73 380.55,693.22 423.04,735.71 635.07,735.71 674.56,775.21 714.72,775.21 728.36,788.85 L8.2@728.36,805.3 ; C80.1@697.81,806.8 727.26,806.8 728.36,805.7 L8.2@728.75,805.3
  Top Layer w11.81: L8.2@728.36,805.3 L8.2@728.36,805.7
  Bottom Layer w8: v1(162.44,585.35) 162.44,582.59 217.16,527.87 307.71,527.87 377,597.16 v1(377,696.77)
NetC86_2: C86.2 Q9.1 R82.1 U3.1 | length 1542.8
  Top Layer w8: v1(1478.8,2261.33) 1550.84,2189.29 1622.1,2189.29 1678.8,2132.59 1678.8,2127.08 v1(1670.53,2118.82) ; v1(2129.98,2117.63) 2129.98,1934.17 2172.5,1891.65 v1(2172.5,1890.07)
  Bottom Layer w8: Q9.1@1438.32,2270.9 1469.23,2270.9 v1(1478.8,2261.33) ; v1(1670.53,2118.82) 1670.53,2173.54 1771.32,2274.33 1958.32,2274.33 2033.91,2198.74 2076.43,2198.74 2118.95,2156.22 2118.95,2128.26 2129.58,2117.63 v1(2129.98,2117.63) ; U3.1@2112.29,1689.59 2204.23,1689.59 R82.1@2204.33,1689.69 ; v1(2172.5,1890.07) 2203.99,1858.58 2203.99,1690.02 R82.1@2204.33,1689.69 ; C86.2@2204.33,1649.89 R82.1@2204.33,1689.69